# Altium PCB Audio-Streamer-Mainboard.PcbDoc (part 4 of 7)
Units mm, origin at the board's own origin, x right, y up, seen from the top; angles counter-clockwise.
Board outline 180 x 270 mm, 4 copper layers (Top Layer, VCC, GND, Bottom Layer), stack 1.62 mm thick; 653 components, 499 nets, 2423 pads, 1617 vias.
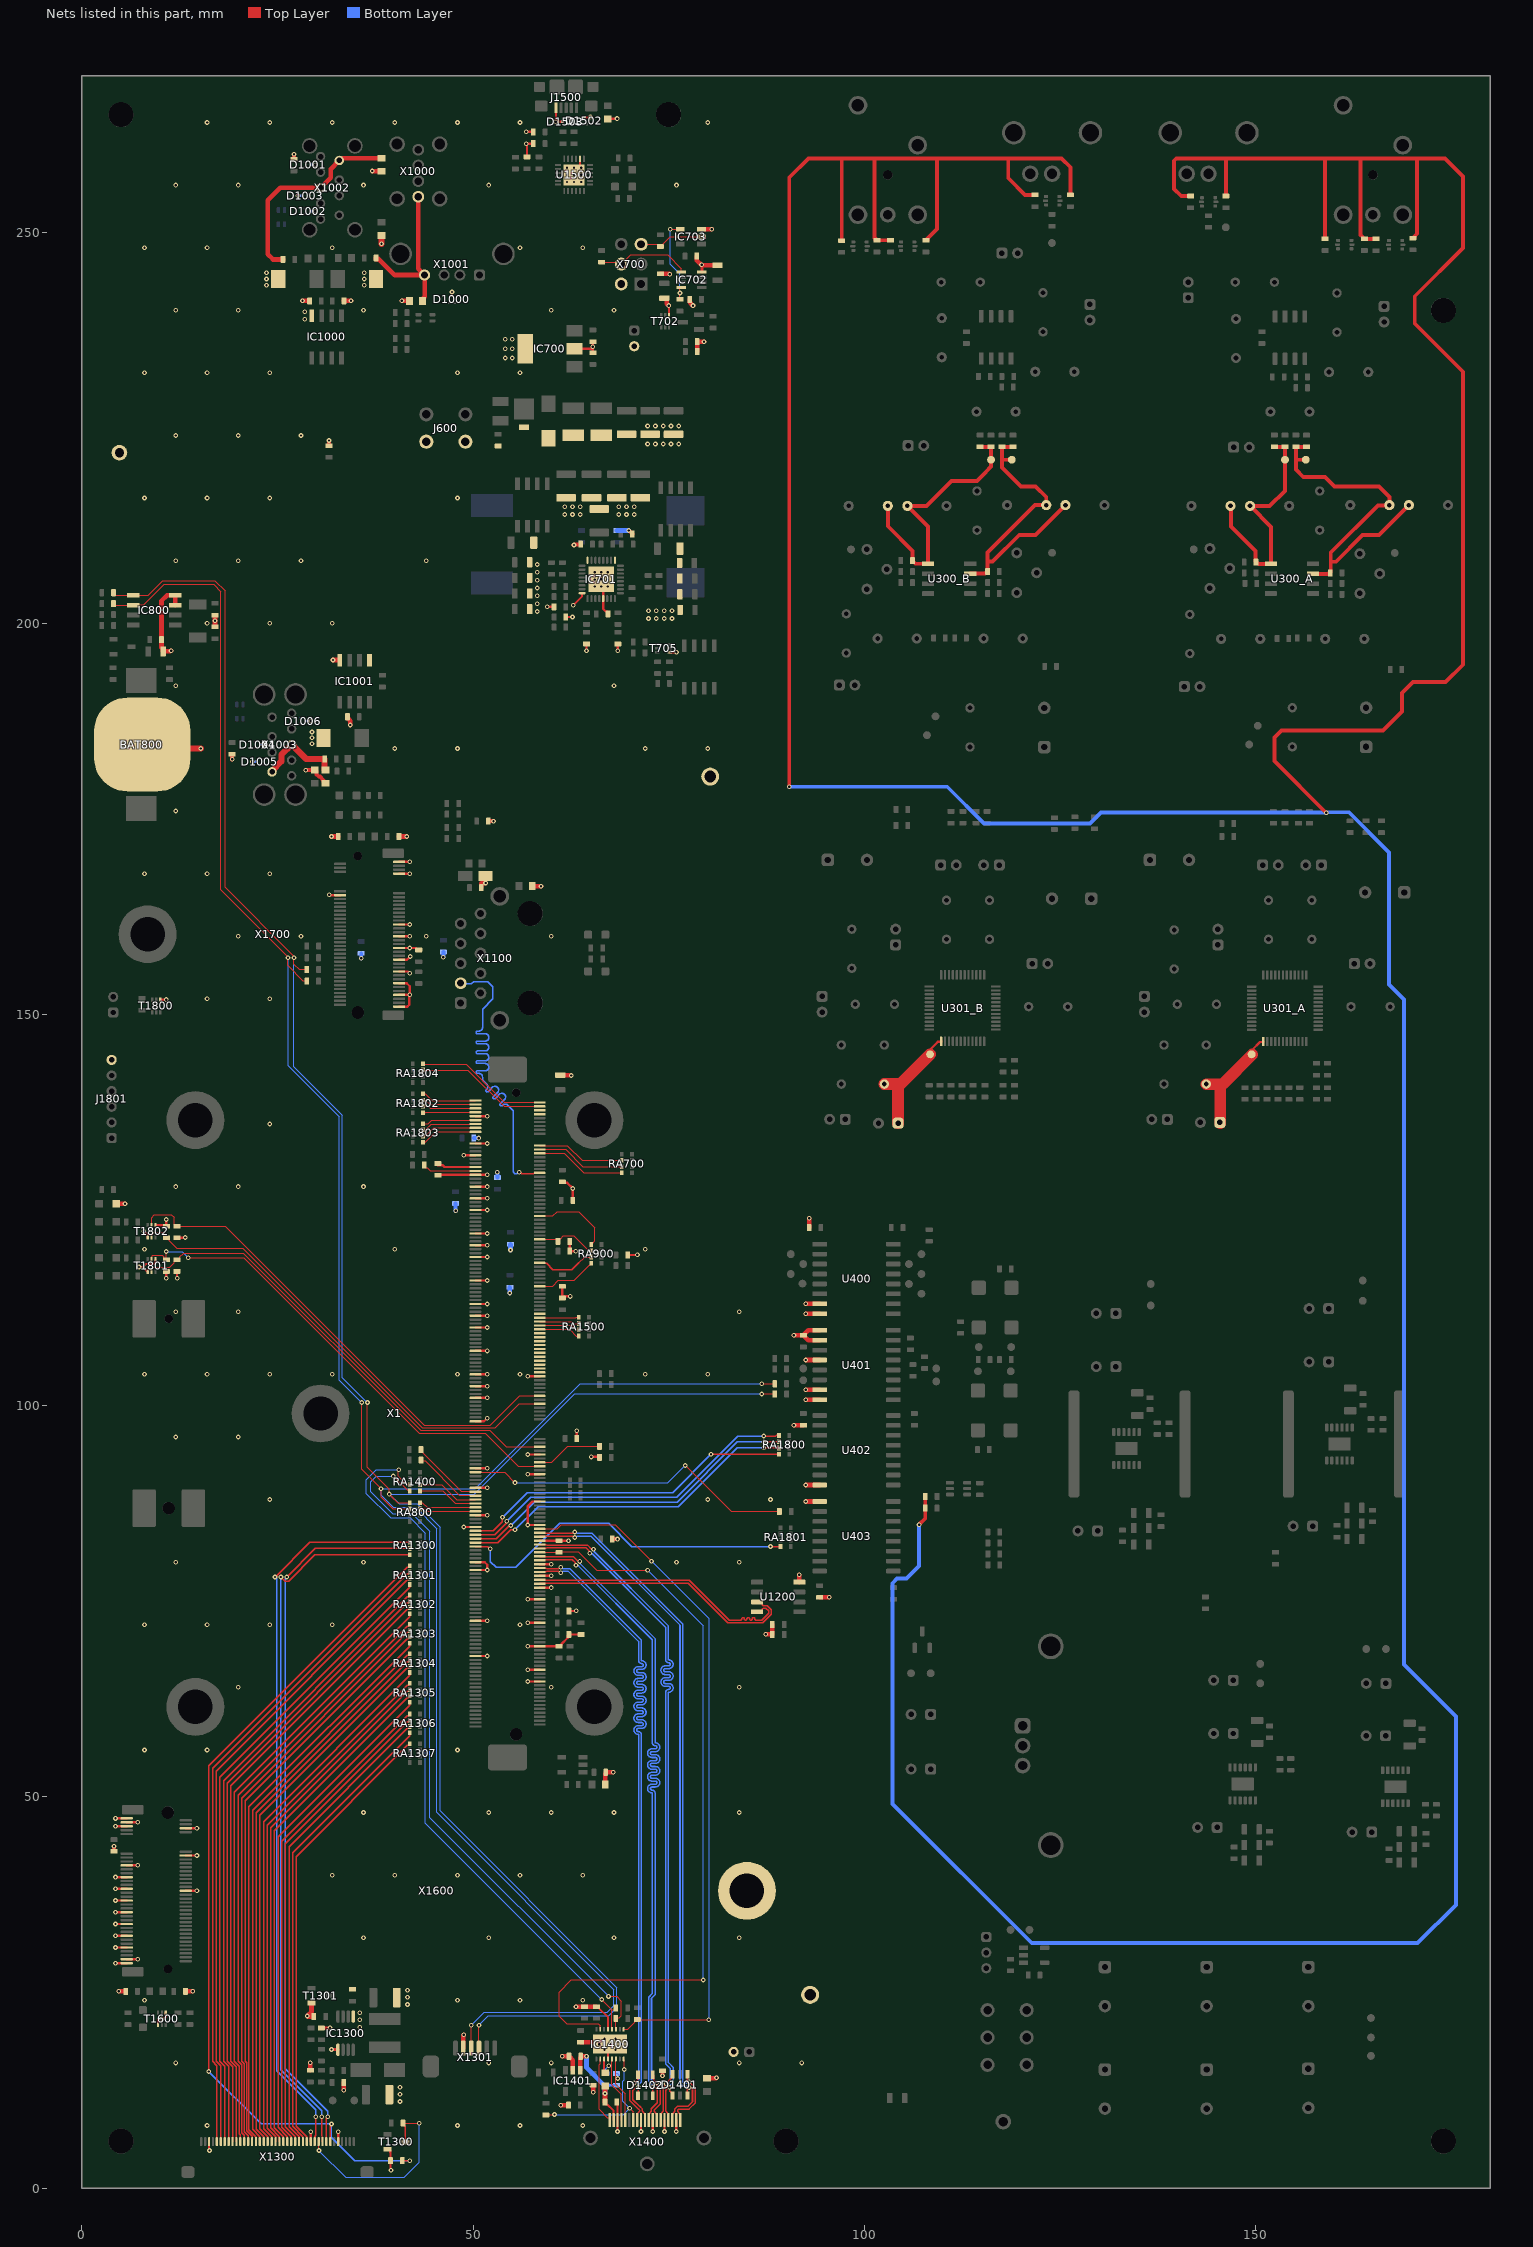
[diagram p6: the nets of this part, all layers, seen from the top]

## Via types
v1: diameter 0.6, hole 0.3, Top Layer to Bottom Layer, tented both sides, 1281 vias
v2: diameter 0.6, hole 0.3, Top Layer to Bottom Layer, 336 vias

## Nets (pads, with @x,y where several pads share a name; then routed paths per layer and width w, separated by ;. In a path a pad name is that pad's centre, name@x,y a point inside that pad or via, vN(x,y) a via of type N, cw(c..) or ccw(c..) an arc to the next point about the centre after c; other vN are vias at no path point) (continued)
ETH1_MDI3_P: X1.38 X1100.P3 | length 51.5
  Top Layer w0.165: v1(55.9,129.85) 56.014,129.85 56.214,129.65 57.736,129.65 57.768,129.682 58.432,129.682 X1.38@58.5,129.75
  Bottom Layer w0.165: X1100.P3@48.41,153.992 48.499,153.903 49.754,153.903 50.051,154.2 51.857,154.2 52.533,153.524 52.533,152.009 51.2,150.676 51.2,148.33 cw(c50.734,148.33) 50.734,147.863 50.551,147.863 ccw(c50.551,147.697) 50.551,147.53 51.549,147.53 cw(c51.549,147.064) 52.016,147.064 cw(c51.549,147.064) 51.549,146.597 50.551,146.597 ccw(c50.551,146.431) 50.551,146.264 51.549,146.264 cw(c51.549,145.798) 52.016,145.798 cw(c51.549,145.798) 51.549,145.331 50.551,145.331 ccw(c50.551,145.165) 50.551,144.998 51.549,144.998 cw(c51.549,144.532) 52.016,144.532 cw(c51.549,144.532) 51.549,144.065 50.551,144.065 ccw(c50.551,143.899) 50.551,143.732 51.549,143.732 cw(c51.549,143.266) 52.016,143.266 cw(c51.549,143.266) 51.549,142.799 50.551,142.799 ccw(c50.551,142.633) 50.551,142.466 50.734,142.466 cw(c50.734,142) 51.2,142 51.2,141.621 51.735,141.085 cw(c51.405,140.756) 51.872,140.756 cw(c51.405,140.756) 51.735,140.426 51.683,140.374 ; 51.683,140.138 ccw(c51.801,140.256) 51.919,140.138 52.47,140.69 cw(c52.8,140.36) 53.266,140.36 cw(c52.8,140.36) 53.13,140.03 52.578,139.479 ccw(c52.696,139.361) 52.578,139.244 ; 51.683,140.139 cw(c51.801,140.256) 51.683,140.374 ; 52.578,139.243 ccw(c52.696,139.361) 52.814,139.243 ; 52.814,139.243 53.365,139.795 cw(c53.695,139.465) 54.161,139.465 cw(c53.695,139.465) 54.025,139.135 53.473,138.583 ccw(c53.591,138.466) 53.473,138.349 ccw(c53.591,138.466) 53.709,138.348 53.761,138.4 cw(c54.091,138.07) 54.421,138.4 55.1,137.721 55.1,129.902 55.353,129.65 55.586,129.65 55.786,129.85 v1(55.9,129.85)
FACTORY_DEFAULT#: R1803.1 X1.186 | length 8.5
  Top Layer w0.15: X1.186@58.5,92.75 60.042,92.75 62.092,94.8 R1803.1@66.15,94.8
FORCE_OFF#: IC703.2 R716.1 X700.5 | length 8.4
  Top Layer w0.15: X700.5@71.475,248.44 73.495,248.44 73.785,248.15 R716.1@73.935,248.15 74.072,248.15 74.297,248.375 74.297,248.512 75.195,249.41 IC703.2@79.185,249.41
GND: BAT800.2 C400.2 C402.2 C406.2 C408.2 C601.1 C602.1 C603.1 C604.2 C605.2 C606.2 C607.2 C608.2 C609.2 C610.1 C700.1 C701.1 C702.1 C703.1 C704.1 C706.1 C707.1 C708.1 C709.1 C710.1 C711.1 C712.1 C713.1 C714.1 C715.1 C716.1 C717.1 C718.1 C720.1 C721.1 C722.1 C723.1 C724.1 C725.1 C726.1 C727.2 C730.1 C800.2 C801.2 C802.1 C803.2 C900.1 C901.1 C902.1 C903.1 C904.1 C905.1 C906.1 C907.1 C908.1 C1000.1 C1001.2 C1003.1 C1004.2 C1006.1 C1007.2 C1100.1 C1101.1 C1102.2 C1103.1 C1200.2 C1201.2 C1300.1 C1301.1 C1302.2 C1303.1 C1304.1 C1305.1 C1400.1 C1401.2 C1402.1 C1403.1 C1404.1 C1405.1 C1406.1 C1407.1 C1408.1 C1409.1 C1500.1 C1501.1 C1600.1 C1601.1 C1602.1 C1603.1 C1604.1 C1700.1 C1701.1 C1702.1 C1703.1 C1800.1 D600.C D1000.3 D1001.3 D1002.3 D1003.3 D1004.3 D1005.3 D1006.3 D1502.3 D1503.3 IC700.2 IC700.4 IC701.5 IC701.17 IC701.24 IC701.32 IC701.33 IC702.4 IC703.3 IC800.3 IC800.4 IC1000.8 IC1001.1 IC1001.4 IC1300.1 IC1300.5 IC1400.5 IC1400.12 IC1400.P IC1401.2 J601.1 J700.2 J701.2 J1500.5 J1801.6 L601.2 L602.1 L603.1 L604.1 L605.1 L702.2 L1001.1 L1005.1 L1008.1 L1500.1 R703.1 R704.1 R705.2 R709.1 R717.2 R726.1 R902.1 R904.1 R1302.1 R1304.1 R1306.1 R1503.1 R1704.1 R1806.2 R1807.2 R1810.2 R1811.2 T702.1 T705.1 T1300.2 T1301.2 T1600.1 T1600.4 T1800.1 T1801.1 T1801.4 T1802.1 T1802.4 TP600.1 TP601.1 U400.7 U400.8 U401.1 U401.2 U401.4 U401.7 U401.8 U402.8 U403.9 U1200.4 U1500.2 U1500.25 X1.9 X1.23 X1.29 X1.39 X1.45 X1.51 X1.57 X1.69 X1.75 X1.81 X1.93 X1.105 X1.111 X1.117 X1.129 X1.141 X1.142 X1.147 X1.153 X1.165 X1.182 X1.189 X1.192 X1.199 X1.206 X1.213 X1.218 X1.219 X1.226 X1.237 X1.238 X1.241 X1.244 X1.250 X1.256 X1.267 X1.268 X1.280 X1.285 X1.292 X1.298 X700.2 X1300.3 X1300.29 X1300.36 X1301.2 X1400.2 X1400.5 X1400.8 X1400.11 X1400.17 X1600.1 X1600.3 X1600.9 X1600.15 X1600.21 X1600.27 X1600.33 X1600.38 X1600.39 X1600.45 X1600.51 X1600.56 X1600.70 X1600.71 X1600.73 X1600.75 X1700.1 X1700.7 X1700.18 X1700.33 X1700.39 X1700.45 X1700.51 X1700.57 X1700.63 X1700.69 X1700.75 | length 308
  Top Layer w0.25: v1(56.8,261.3) 56.8,261.205 56.9,261.105 R1503.1@56.9,259.6 ; v1(62.8,202.3) 63.9,203.4 63.9,203.827 63.923,203.85 IC701.32@63.929,203.85 ; v1(62.9,257.3) 63.65,258.05 U1500.2@63.65,259.35 ; C1401.2@65.75,23.19 65.9,23.19 C1401.2@66.075,23.015 ; C1401.2@66.075,22.996 C1401.2@66.075,23.015 ; IC1400.12@67.25,16.505 67.25,18.15 v1(67.5,18.4) ; IC1400.5@67.25,20.295 67.25,21.84 C1401.2@66.075,23.015 ; C1402.1@68.35,10.982 68.46,10.872 X1400.17@68.46,8.7
  Top Layer w0.3: v1(4.3,28.75) X1600.1@5.725,28.75 ; v1(4.3,30.75) X1600.9@5.725,30.75 ; v1(4.3,32.25) X1600.15@5.725,32.25 ; v1(4.3,33.75) X1600.21@5.725,33.75 ; v1(4.3,35.25) X1600.27@5.725,35.25 ; v1(4.3,36.75) X1600.33@5.725,36.75 ; v1(4.3,38.25) X1600.39@5.725,38.25 ; v1(4.3,39.75) X1600.45@5.725,39.75 ; v1(4.3,46.25) X1600.71@5.725,46.25 ; v1(4.3,47.25) X1600.75@5.725,47.25 ; X1600.3@5.725,29.25 v1(7.15,29.25) ; X1600.51@5.725,41.25 v1(7.15,41.25) ; X1600.73@5.725,46.75 v1(7.15,46.75) ; v1(7.3,117.73) 7.78,117.73 ; v1(7.9,122.3) 8.4,121.8 T1802.4@8.4,121.46 ; T1801.4@8.4,117.11 8.4,117.245 8.265,117.245 7.78,117.73 ; T1801.1@9.4,118.69 9.4,118.281 9.224,118.105 9.005,118.105 9,118.1 8.149,118.1 7.78,117.73 ; T1802.1@9.4,123.04 10.71,123.04 R1811.2@10.8,122.95 v1(10.8,123.8) ; T1600.1@9.73,20.86 9.73,21.479 9.906,21.655 v1(10.203,21.655) 10.5,21.655 10.73,21.885 T1600.4@10.73,22.44 ; T1800.1@10,151.89 10.79,151.89 v1(10.8,151.9) ; v1(10.8,116.3) R1806.2@10.8,117.15 ; R1807.2@12.15,117.15 12.15,116.35 v1(12.2,116.3) ; R1810.2@12.15,121.45 13.15,121.45 v1(13.2,121.5) ; X1600.38@13.275,38 v1(14.7,38) ; X1600.56@13.275,42.5 v1(14.7,42.5) ; X1600.70@13.275,46 v1(14.7,46) ; X1300.3@16.25,5.95 16.25,4.85 v1(16.3,4.8) ; X1300.29@29.25,5.95 v1(29.25,7.2) ; v1(31.6,165.3) 31.65,165.25 X1700.18@33,165.25 ; X1300.36@32.75,5.95 v1(32.75,7.2) ; T1300.2@39.05,4.95 39.25,4.95 39.4,4.8 39.4,4.6 39.45,4.55 R1302.1@39.45,3.5 39.45,2.35 v1(39.5,2.3) ; X1700.75@40.55,151 41.6,151 41.85,151.25 41.85,152.45 v1(41.9,152.5) ; X1700.69@40.55,152.5 v1(41.9,152.5) ; X1700.63@40.55,154 41.498,154 41.9,153.598 v1(41.9,152.5) ; X1700.57@40.55,155.5 41.65,155.5 v1(41.9,155.25) ; X1700.51@40.55,157 41.555,157 v1(41.955,157.4) ; X1700.45@40.55,158.5 42.65,158.5 42.9,158.25 R1704.1@43.05,158.25 ; X1700.39@40.55,160 v1(41.9,160) ; X1700.33@40.55,161.5 v1(41.9,161.5) ; X1700.7@40.55,168 v1(41.9,168) ; X1700.1@40.55,169.5 v1(41.9,169.5) ; C1600.1@45.5,129.45 45.55,129.5 X1.39@50.3,129.5 v1(51.8,129.5) ; D1000.3@47.3,241.825 v1(47.3,242.335) ; v1(48.8,84.5) X1.219@50.3,84.5 ; v1@48.8,132 X1.29@50.3,132 ; X1.285@50.3,68 v1(51.8,68) ; X1.267@50.3,72.5 v1(51.8,72.5) ; X1.241@50.3,79 v1(51.8,79) 51.8,79.679 51.479,80 X1.237@50.3,80 ; X1.213@50.3,86 v1(51.8,86) ; X1.199@50.3,89.5 v1(51.8,89.5) ; X1.189@50.3,92 v1(51.8,92) ; X1.165@50.3,98 51.4,98 v1(51.8,98.4) ; X1.153@50.3,101 v1(51.8,101) ; X1.147@50.3,102.5 v1(51.8,102.5) ; X1.141@50.3,104 v1(51.8,104) ; X1.129@50.3,107 v1(51.8,107) ; X1.117@50.3,110 v1(51.8,110) ; X1.111@50.3,111.5 v1(51.8,111.5) ; X1.105@50.3,113 v1(51.8,113) ; X1.93@50.3,116 v1(51.8,116) ; X1.81@50.3,119 v1(51.8,119) ; X1.75@50.3,120.5 v1(51.8,120.5) ; X1.69@50.3,122 v1(51.8,122) ; X1.57@50.3,125 v1(51.8,125) ; X1.51@50.3,126.5 v1(51.8,126.5) ; X1.45@50.3,128 v1(51.8,128) ; X1.23@50.3,133.5 v1(51.8,133.5) ; X1.9@50.3,137 v1(51.8,137) ; v1(56.8,261.3) C1500.1@57.7,261.3 ; v1(56.8,262.8) C1501.1@57.7,262.8 ; v1(57,64.75) X1.298@58.5,64.75 ; v1(57,66.25) X1.292@58.5,66.25 ; v1(57,69.25) X1.280@58.5,69.25 C1300.1@61,69.25 61.15,69.25 61.3,69.4 61.3,69.55 62.1,70.35 62.1,70.6 C901.1@62.25,70.75 R902.1@63.8,70.75 ; v1(57,72.25) X1.268@58.5,72.25 ; v1(57,75.25) X1.256@58.5,75.25 ; v1(57,91.25) X1.192@58.5,91.25 ; v1(57,93.75) X1.182@58.5,93.75 ; v1(57,103.75) X1.142@58.5,103.75 ; X1.250@58.5,76.75 v1(60,76.75) ; X1.244@58.5,78.25 v1(60,78.25) ; X1.238@58.5,79.75 v1(60,79.75) ; X1.226@58.5,82.75 C1407.1@61,82.75 v1(62.2,82.75) ; X1.218@58.5,84.75 v1(57,84.75) 57,87.171 57.579,87.75 X1.206@58.5,87.75 ; v1(59.484,202.1) R703.1@60.35,202.1 ; J1500.5@60.6,265.875 60.6,264.24 60.541,264.181 v1(60.541,264.1) D1503.3@61.375,264.1 ; C608.2@61.35,113.77 C608.2@61.4,113.82 ; C607.2@61.4,115.25 C608.2@61.4,113.82 ; C604.2@61.4,128.6 61.521,128.479 62.021,128.479 v1(62.75,127.75) C605.2@62.75,126.25 ; R726.1@61.85,200.8 v1(62.7,200.8) ; C902.1@62.25,73.75 63.129,73.75 v1(63.179,73.8) ; C900.1@62.35,121.25 C900.1@62.35,121 C606.2@62.35,119.75 v1(63.1,119.75) ; v1(62.4,113.965) 61.545,113.965 C608.2@61.4,113.82 ; IC700.2@62.95,235.082 65.244,235.082 v1@65.3,235.138 ; C610.1@63.25,95.8 v1(63.25,96.8) ; D1502.3@64.2,264.63 64.718,264.63 64.73,264.643 64.943,264.643 v1(65,264.7) ; v1(64.5,196.5) C726.1@64.5,197.35 ; v1(65.116,93.45) C1800.1@66.116,93.45 ; C703.1@65.3,234.582 v1@65.3,235.138 ; C704.1@65.3,235.982 v1(65.3,235.338) v1@65.3,235.138 ; IC701.33@66.629,204.54 IC701.5@66.629,203.15 66.629,201.821 66.95,201.5 67.1,201.5 67.25,201.35 C714.1@67.25,201.2 ; L1500.1@67.2,264.46 68.36,264.46 v1(68.4,264.5) ; v1(68.46,7.24) X1400.17@68.46,8.7 ; v1(68.5,196.5) C715.1@68.5,197.35 ; R904.1@69.75,119.25 70.95,119.25 v1(71,119.3) ; v1(71.46,7.24) X1400.11@71.46,8.7 ; v1(72.96,7.24) X1400.8@72.96,8.7 ; v1(74.46,7.24) X1400.5@74.46,8.7 ; v1(75.005,240.6) 75.035,240.57 T702.1@75.035,239.39 ; T705.1@75.129,196.315 75.985,196.315 v1(76,196.3) ; v1(75.96,7.24) X1400.2@75.96,8.7
  Top Layer w0.4: C1305.1@30.6,20.455 31.596,20.455 31.646,20.505 v1(31.7,20.505) ; v1(31.9,17.705) 32.702,17.705 IC1300.5@32.725,17.68 IC1300.5@32.725,17.68 ; v1@79.2,245.746 79.245,245.701 IC702.4@79.245,244.875
  Top Layer w0.5: C1701.1@4.1,43.05 v1(4.1,43.7) ; v1(19.2,182.6) C906.1@19.2,183.25 ; C907.1@27.1,259.3 v1(27.1,259.95) ; v1(28.6,181.208) 28.627,181.208 28.659,181.24 L603.1@29.75,181.24 ; L603.1@30,181.055 30,180.688 30.293,180.395 30.416,180.395 30.9,179.911 30.9,179.745 31.085,179.56 L1008.1@31.15,179.56 ; C908.1@31.574,222.7 v1(31.574,223.35) ; C905.1@51.95,174.7 v1(52.6,174.7) ; v1(62.9,210) 62.838,210 62.819,210.019 62.979,210.019 63,210.04 63.7,210.04 63.75,210.09 C700.1@63.75,210.1 ; C1409.1@67.8,82.95 v1(68.45,82.95) ; v1(69.9,211.85) C706.1@70.35,211.4 ; v1(74.2,14.35) C1408.1@74.2,15
  Top Layer w0.6: D600.C@4.4,125.8 v1(5.5,125.8) ; v1(4.7,25.15) C1603.1@5.608,25.15 ; v1(11.4,196.5) 11.308,196.408 C803.2@10.375,196.408 10.375,196.708 10.175,196.908 C802.1@10.175,197.908 10.175,202.875 10.883,203.583 IC800.4@11.95,203.583 IC800.3@11.95,202.313 ; C1604.1@13.25,25.15 v1(14.158,25.15) ; C800.2@17.02,199.536 v1(17.02,200.3) C801.2@17.02,201.036 ; v1(28.2,241.2) C1003.1@29.1,241.2 ; R1306.1@29.2,15.055 v1(29.2,16.005) ; T1301.2@29.35,23.655 29.35,22.555 v1(28.8,22.005) 28.873,21.932 29.65,21.932 C1304.1@29.65,21.93 ; v1(31.9,172.75) C1703.1@32.75,172.75 ; v1(32.1,195.3) IC1001.4@32.945,195.3 ; v1(33.475,12.505) R1304.1@33.475,13.505 ; C1000.1@33.5,241.2 v1(34.4,241.2) ; C1006.1@33.95,188.05 33.95,187.9 34.3,187.55 v1(34.3,187) ; v1(37.1,257.8) 37.14,257.76 L1005.1@38.3,257.76 ; C1702.1@40.525,172.75 v1(41.5,172.75) ; v1(40.9,241.2) L1001.1@41.86,241.2 ; X1301.2@48.75,17.9 48.75,19.55 v1(48.8,19.6) ; C1103.1@51.043,166.2 51.043,166.788 51.581,166.788 v1(51.593,166.8) ; L605.1@57.554,166.4 v1(58.684,166.4) ; C609.2@61.136,142.25 v1@62.483,142.25 ; v1(61.2,10.6) 61.205,10.605 C1405.1@62.2,10.605 ; v1(61.4,16.851) C1406.1@62.25,16.851 62.25,16.701 62.398,16.701 62.75,16.349 IC1401.2@62.75,15.051 ; v1(63.15,23.19) C1400.1@64.25,23.19 C1401.2@65.75,23.19 ; C1403.1@63.75,18.65 67.25,18.65 v1(67.5,18.4) ; v1(65.35,12.25) C1404.1@65.35,13.15 ; L702.2@66.88,51.6 66.88,52.93 66.95,53 C730.1@66.95,53.15 v1(67.9,53.15) ; R709.1@73.935,244.65 75.075,244.65 v1(75.125,244.6) ; C721.1@74.435,241.55 74.706,241.55 74.756,241.5 74.756,240.849 v1(75.005,240.6) ; C718.1@77.685,241.4 77.685,241.015 v1(78.1,240.6) ; C727.2@78.585,246.91 78.585,246.361 79.2,245.746 79.204,245.75 C720.1@81.235,245.75 ; C713.1@78.635,234.735 R704.1@78.635,235.985 79.497,235.985 v1(79.5,235.982) ; IC703.3@79.185,250.36 80.494,250.36 v1(80.5,250.366) ; L604.1@79.9,14.04 81.04,14.04 v1(81.1,14.1) ; v1(87.4,70.8) C1200.2@88.25,70.8 ; C1200.2@88.25,70.75 C1200.2@88.25,70.8 ; C1201.2@88.25,72.05 C1200.2@88.25,70.8 ; v1(91,109) C402.2@92.2,109 C402.2@92.35,109 ; v1@91.016,97.5 C406.2@92.2,97.5 ; U1200.4@91.7,77.455 v1(91.7,78.4) ; v1(92.5,87.75) U403.9@94.3,87.75 ; v1(92.5,89.86) U402.8@94.3,89.86 ; v1(92.5,100.75) U401.8@94.3,100.75 ; v1(92.5,102.02) U401.7@94.3,102.02 ; v1(92.5,105.83) U401.4@94.3,105.83 ; v1(92.5,111.75) U400.8@94.3,111.75 ; v1(92.5,113.02) U400.7@94.3,113.02 ; C400.2@92.95,122.75 v1@92.95,123.934 ; C408.2@94.3,75.5 v1(95.5,75.5) ; U401.2@94.3,108.37 92.83,108.37 92.35,108.85 C402.2@92.35,109 ; U401.1@94.3,109.64 92.84,109.64 92.35,109.15 C402.2@92.35,109
  Top Layer w0.8: BAT800.2@7.728,184.5 8.228,184 v1(15.2,184) ; v1(38.3,248.5) L602.1@38.3,249.56
  Bottom Layer w0.3: v1(21.765,182.3) D1005.3@22.275,182.3 ; D1004.3@22.925,184.5 v1(23.435,184.5) ; v1(27.607,254.62) D1003.3@28.118,254.62 ; D1006.3@28.725,187.5 v1(29.235,187.5) ; D1002.3@29.325,252.65 v1(29.835,252.65) ; D1001.3@29.325,258.6 v1(29.835,258.6)
  Bottom Layer w0.5: v1(35.7,157.17) C1602.1@35.7,157.82 ; v1(46.2,157.325) C1101.1@46.2,157.975 ; v1(47.765,124.9) C1601.1@47.765,125.85 ; C1700.1@50.088,134.2 v1(50.738,134.2) ; C1100.1@53.1,129.17 v1(53.1,129.82)
  Bottom Layer w0.6: v1(54.7,114.4) C903.1@54.7,115.15 ; v1(54.77,119.9) C904.1@54.771,120.65 ; C711.1@68.379,211.85 v1@69.9,211.85
  other v1: 16,8 48,8 56,8 64,8 40.66,11.065 40.66,12.005 40.66,12.905 12,16 52,16 60,16 84,16 92,16 66.8,17.7 68.199,17.7 66.1,18.4 68.899,18.4 66.8,19.1 68.2,19.1 35.5,20.565 35.5,21.505 35.5,22.405 41.61,23.465 8,24 48,24 56,24 64,24 41.61,24.405 41.61,25.305 36,32 52,32 68,32 84,32 32,40 40,40 48,40 56,40 64,40 36,48 52,48 60,48 68,48 84,48 8,56 16,56 48,56 20,64 60,64 84,64 8,72 16,72 24,72 32,72 56,72 12,80 36,80 76,80 84,80 24,88 80,88 88,88 12,96 20,96 91,97.516 8,104 16,104 24,104 32,104 48,104 56,104 72,104 80,104 12,112 20,112 84,112 8,120 40,120 72,120 92.966,123.95 12,128 20,128 36,128 48.8,132 24,136 62.533,142.2 16,152 24,152 41.9,158.5 20,160 28,160 44,160 60,160 8,168 16,168 24,168 12,176 40,184 48,184 72,184 80,184 29.4,184.6 29.4,185.35 29.4,186.1 12,192 68,192 16,200 24,200 32,200 65.568,204.69 66.397,204.69 67.226,204.69 65.568,205.6 67.226,205.6 66.397,205.604 65.568,206.518 66.397,206.518 67.226,206.518 12,208 20,208 28,208 44,208 8,216 16,216 24,216 48,216 12,224 20,224 28,224 72.3,225.2 73.3,225.2 74.3,225.2 75.3,225.2 76.3,225.2 8,232 16,232 24,232 48,232 56,232 28.47,238.86 28.47,239.8 12,240 20,240 36,240 60,240 68,240 23.6,243.2 36.1,243.2 23.6,244 36.1,244 23.6,244.8 36.1,244.8 79.2,245.8 8,248 16,248 32,248 56,248 64,248 12,256 20,256 36,256 52,256 76,256 62,256.4 62.9,256.4 63.8,256.4 62,257.3 63.8,257.3 62,258.2 62.9,258.2 63.8,258.2 16,264 24,264 32,264 40,264 48,264 56,264 80,264
  other v2: 72.42,200.6 73.42,200.6 74.42,200.6 75.42,200.6 58.2,201.5 72.42,201.6 73.42,201.6 74.42,201.6 75.42,201.6 58.2,202.5 58.2,203.5 58.2,204.5 58.2,205.5 58.2,206.5 58.2,207.5 61.7,213.9 62.7,213.9 63.7,213.9 68.6,213.9 69.6,213.9 70.6,213.9 61.7,214.9 62.7,214.9 63.7,214.9 68.6,214.9 69.6,214.9 70.6,214.9 72.3,222.9 73.3,222.9 74.3,222.9 75.3,222.9 76.3,222.9 54.1,233.9 55,233.9 54.1,235.1 55,235.1 54.1,236.3 55,236.3
GND_IN: C600.1 D601.2 D602.2 J600.2 L601.1
GND_USBH2: C1002.1 L1001.2 X1000.4 X1001.4 | length 20.9
  Top Layer w0.6: C1002.1@37.6,246.7 37.6,246.55 37.95,246.55 40,244.5 X1001.4@43.8,244.5 ; X1000.4@43,254.51 43,245.3 X1001.4@43.8,244.5 ; L1001.2@43.54,241.2 43.675,241.335 43.675,241.626 43.8,241.751 X1001.4@43.8,244.5
GND_USBH4: C1005.1 L1005.2 X1002.4 X1002.7 | length 26.5
  Top Layer w0.6: C1005.1@25.7,246.5 24.424,246.5 23.75,247.174 23.75,254.05 25.35,255.65 X1002.7@30.5,255.65 31.8,256.95 31.8,258.05 X1002.4@32.9,259.15 33.065,259.15 33.355,259.44 L1005.2@38.3,259.44
GND_USBO1: C1008.1 L1008.2 X1003.4 X1003.7 | length 11
  Top Layer w0.8: X1003.4@24.222,181.078 24.268,181.078 24.378,181.188 24.378,181.234 25.5,182.356 25.5,183.2 X1003.7@26.8,184.5 28.65,182.65 C1008.1@31.021,182.65 31.021,181.369 31.05,181.34 31.05,181.275 31.085,181.24 L1008.2@31.15,181.24
HDMI1_CEC: IC1400.16 R1405.1 X1400.13 | length 19.5
  Top Layer w0.15: R1405.1@59.3,9.343 60.343,9.343 v1(60.4,9.4) ; IC1400.16@69.25,16.505 69.25,16.4 69.3,16.35 69.3,16.192 v1(69.3,15.15) ; v1(69.999,10.213) 70.001,10.213 70.46,9.755 X1400.13@70.46,8.7
  Bottom Layer w0.15: v1(60.4,9.4) 69.186,9.4 v1(69.999,10.213) 69.1,11.112 69.1,13.626 69.3,13.826 v1(69.3,15.15)
HDMI1_CEC_MXM3: IC1400.1 R1403.1 X1.220 | length 89.5
  Top Layer w0.15: X1.220@58.5,84.25 60.733,84.25 61.233,84.75 68.18,84.75 v1(72.8,80.13) ; IC1400.1@69.25,20.295 69.74,20.295 70.638,21.193 70.638,21.33 70.863,21.555 R1403.1@71,21.555 71.025,21.53 80.075,21.53 v1(80.1,21.505)
  Bottom Layer w0.15: v1(72.8,80.13) 80.1,72.83 80.1,21.8 v1(80.1,21.505)
HDMI1_HPD: IC1400.10 X1400.19 | length 8.6
  Top Layer w0.15: IC1400.10@66.25,16.505 66.25,15.9 66.1,15.75 66.1,10.06 67.173,8.987 67.385,8.987 67.46,8.912 X1400.19@67.46,8.7
HDMI1_HPD_MXM3: C1407.2 IC1400.7 X1.232 | length 98.4
  Top Layer w0.15: X1.232@58.5,81.25 C1407.2@61,81.25 61.054,81.304 63.446,81.304 65.779,78.971 v1(72.3,78.971) ; IC1400.7@66.25,20.295 66.25,20.75 66,21 61.95,21 61,21.95 61,25.05 62.55,26.6 v1(79.4,26.6)
  Bottom Layer w0.15: v1(72.3,78.971) 79.4,71.871 v1(79.4,26.6)
HDMI1_TXC_N: D1402.6 X1.242 X1400.12 | length 90.6
  Top Layer w0.198: X1.242@58.5,78.75 58.551,78.801 59.371,78.801 59.391,78.821 60.92,78.821 61.091,78.65 v1(61.2,78.65) ; X1400.12@70.96,8.7 70.96,9.45 71.111,9.601 71.111,9.638 71.281,9.808 71.281,9.973 71.158,10.095 71.105,10.095 70.042,11.158 70.042,12.621 70.528,13.107 70.528,13.349 v1(70.605,13.426) 71.06,13.881 D1402.6@71.06,14.5
  Bottom Layer w0.198: v1(61.2,78.65) 61.309,78.65 61.48,78.821 62.188,78.821 71.148,69.861 71.148,67.446 ccw(c71.55,67.446) 71.55,67.044 cw(c71.55,66.846) 71.748,66.846 cw(c71.55,66.846) 71.55,66.648 71.104,66.648 ccw(c71.104,66.092) 71.104,65.536 71.55,65.536 cw(c71.55,65.338) 71.748,65.338 cw(c71.55,65.338) 71.55,65.14 71.104,65.14 ccw(c71.104,64.584) 71.104,64.028 71.55,64.028 cw(c71.55,63.83) 71.748,63.83 cw(c71.55,63.83) 71.55,63.632 71.104,63.632 ccw(c71.104,63.076) 71.104,62.52 71.55,62.52 cw(c71.55,62.322) 71.748,62.322 cw(c71.55,62.322) 71.55,62.124 71.104,62.124 ccw(c71.104,61.568) 71.104,61.012 71.55,61.012 cw(c71.55,60.814) 71.748,60.814 cw(c71.55,60.814) 71.55,60.616 71.104,60.616 ccw(c71.104,60.06) 71.104,59.504 71.55,59.504 cw(c71.55,59.306) 71.748,59.306 cw(c71.55,59.306) 71.55,59.108 71.104,59.108 ccw(c71.104,58.552) 71.104,57.996 cw(c71.104,57.952) 71.148,57.952 71.148,14.155 71.148,13.727 70.924,13.503 70.682,13.503 v1(70.605,13.426)
HDMI1_TXC_P: D1402.1 X1.240 X1400.10 | length 90
  Top Layer w0.198: X1.240@58.5,79.25 58.551,79.199 59.371,79.199 59.391,79.179 60.92,79.179 ; 70.781,12.854 70.4,12.473 70.4,11.306 71.253,10.453 71.307,10.453 71.639,10.121 71.639,9.808 71.809,9.638 71.809,9.601 71.96,9.45 X1400.10@71.96,8.7 ; D1402.1@71.06,11.8 71.08,11.82 71.08,12.911 v1(71.1,12.931)
  Bottom Layer w0.198: v1(61.2,79.35) 61.309,79.35 61.48,79.179 62.336,79.179 71.506,70.009 71.506,67.446 ccw(c71.55,67.446) 71.55,67.402 cw(c71.55,66.846) 72.106,66.846 cw(c71.55,66.846) 71.55,66.29 71.104,66.29 ccw(c71.104,66.092) 71.104,65.894 71.55,65.894 cw(c71.55,65.338) 72.106,65.338 cw(c71.55,65.338) 71.55,64.782 71.104,64.782 ccw(c71.104,64.584) 71.104,64.386 71.55,64.386 cw(c71.55,63.83) 72.106,63.83 cw(c71.55,63.83) 71.55,63.274 71.104,63.274 ccw(c71.104,63.076) 71.104,62.878 71.55,62.878 cw(c71.55,62.322) 72.106,62.322 cw(c71.55,62.322) 71.55,61.766 71.104,61.766 ccw(c71.104,61.568) 71.104,61.37 71.55,61.37 cw(c71.55,60.814) 72.106,60.814 cw(c71.55,60.814) 71.55,60.258 71.104,60.258 ccw(c71.104,60.06) 71.104,59.862 71.55,59.862 cw(c71.55,59.306) 72.106,59.306 cw(c71.55,59.306) 71.55,58.75 71.104,58.75 ccw(c71.104,58.552) 71.104,58.354 cw(c71.104,57.952) 71.506,57.952 71.506,14.155 71.506,13.579 71.177,13.25